# KiCad board vme-wren.kicad_pcb (continued)
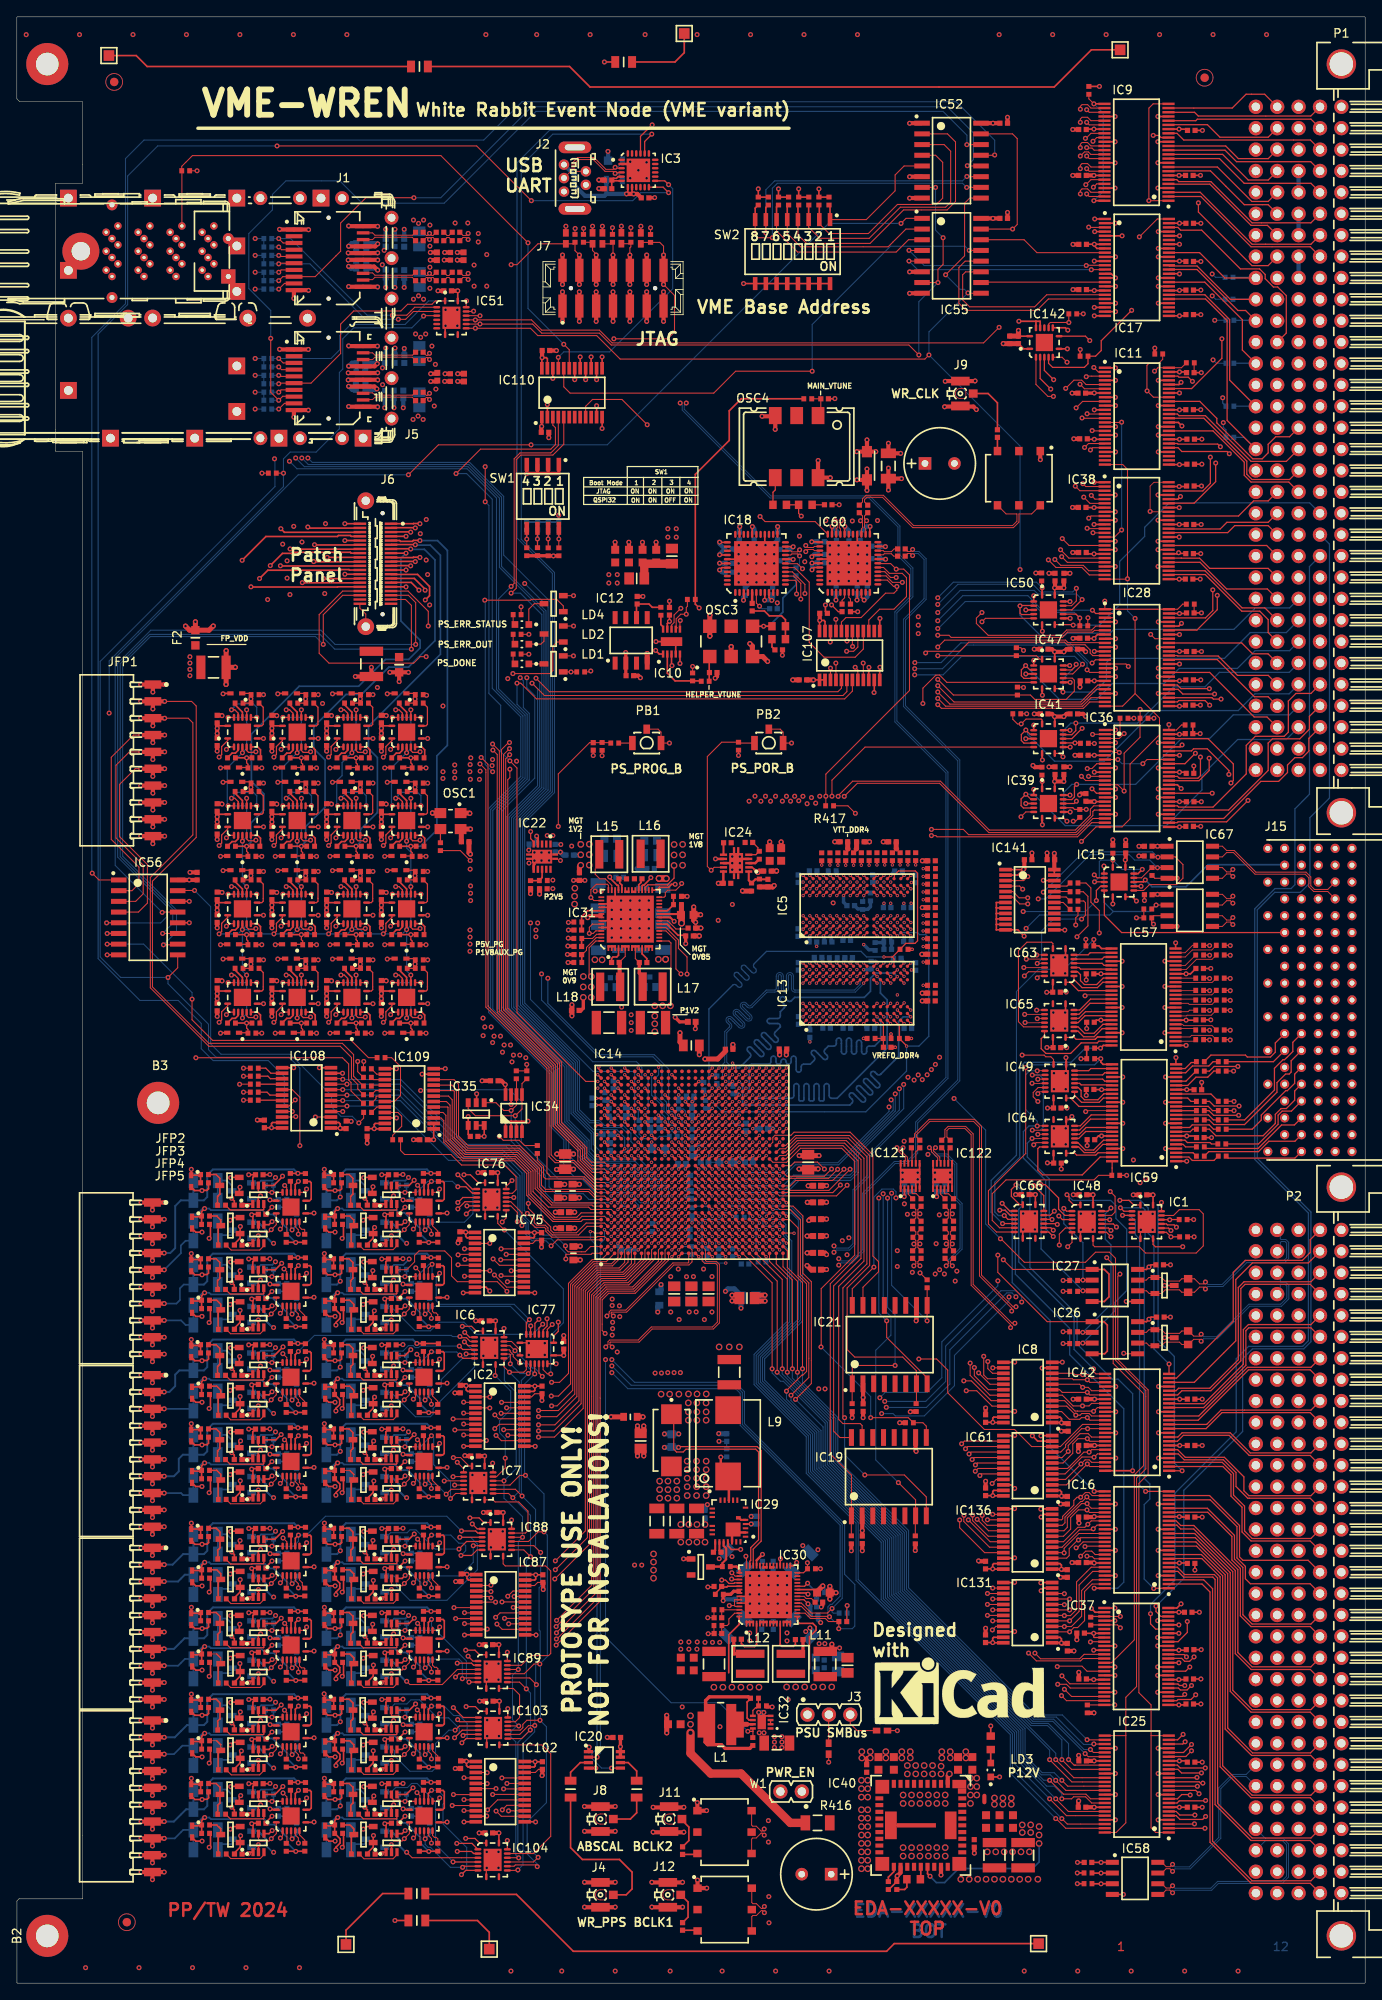
[diagram p0: board, top side]
## Routing (per net, layer and track width the routed paths; a pad name or vN(x,y) marks a point on that pad's centre or on a via; arc(x,y) is an arc through that point) (continued)
/io_drivers_fp/F_IO19: length 80.3
  Top Layer w0.125: IC87.6 54.59,45.24 v2(56.85,45.24) ; IC14.J2 75.38,87.06 75.38,85.97 72.58,83.16 69.71,83.16 68.26,81.71 68.26,47.24 v2(64.1,43.07)
  Top Layer w0.2: IC92.4 46.57,52.71 v2(47.2,53.33)
  L5 w0.125: v2(47.2,53.33) 48.5,54.63 49.39,54.63 51.4,52.62 51.4,50.54 51.9,50.04 54.23,50.04 56.85,47.41 v2(56.85,45.24)
  L8 w0.125: v2(56.85,45.24) 57.65,44.44 58.44,44.44 59.8,43.07 v2(64.1,43.07)
/io_drivers_fp/F_IO20: length 93.1
  Top Layer w0.125: v2(51.91,44.59) 54.54,44.59 IC87.7 ; IC14.J1 75.79,86.02 72.68,82.91 69.81,82.91 68.51,81.61 68.51,46.8 v2(64.05,42.34)
  Top Layer w0.2: v2(30.32,38.42) 29.95,38.05 29.35,38.05
  L5 w0.125: v2(51.91,44.59) 51.61,44.89 41.05,44.89 38.91,42.74 38.91,41.14 38.62,40.85 38.22,40.85 35.78,38.42 v2(30.32,38.42)
  L8 w0.125: v2(64.05,42.34) 62.25,42.34 61.85,42.74 59.75,42.74 58.45,44.04 56.68,44.04 56.13,44.59 v2(51.91,44.59)
/io_drivers_fp/F_IO21: length 92.3
  Top Layer w0.125: v2(53.16,43.99) 53.19,43.96 IC87.8 ; v2(64.08,41.59) 64.08,41.62 68.76,46.3 68.76,81.46 69.97,82.66 73.14,82.66 76.19,85.72 76.19,87.07 IC14.K2
  Top Layer w0.2: IC95.4 30.77,42.71 v2(31.4,43.33)
  L5 w0.125: v2(53.16,43.99) 53.16,44.03 51.9,45.29 43.61,45.29 43.5,45.18 43.1,45.18 42.99,45.29 38.21,45.29 36.61,43.69 34.62,43.69 33.65,42.71 32.59,42.71 31.97,43.33 v2(31.4,43.33)
  L8 w0.125: v2(53.16,43.99) 54.6,43.99 56.44,42.15 61.75,42.15 62.31,41.59 v2(64.08,41.59)
/io_drivers_fp/F_IO22: length 78
  Top Layer w0.125: v2(52.11,43.29) 54.54,43.29 IC87.9 ; v2(64.08,40.86) 64.13,40.86 69.01,45.75 69.01,81.35 70.07,82.41 73.24,82.41 76.59,85.76 IC14.K1
  Top Layer w0.2: v2(46.12,38.42) 45.75,38.05 45.15,38.05
  L5 w0.125: v2(52.11,43.29) 50.02,43.29 46.12,39.38 v2(46.12,38.42)
  L8 w0.125: v2(64.08,40.86) 64.06,40.85 59.85,40.85 59.15,41.55 55.29,41.55 53.56,43.29 v2(52.11,43.29)
/io_drivers_fp/F_IO23: length 77.9
  Top Layer w0.125: IC14.L2 76.98,87.05 76.98,85.8 73.34,82.16 70.19,82.16 69.26,81.24 69.26,45.35 v2(64.05,40.14) ; v2(53.16,42.69) 53.19,42.66 IC87.10
  Top Layer w0.2: IC101.4 46.57,42.71 v2(47.2,43.33)
  L5 w0.125: v2(47.2,43.33) 48.5,44.63 49.39,44.63 49.92,44.1 52.2,44.1 53.16,43.14 v2(53.16,42.69)
  L8 w0.125: v2(53.16,42.69) 55.17,40.68 59.3,40.68 59.84,40.14 v2(64.05,40.14)
/io_drivers_fp/F_IO24: length 104.9
  Top Layer w0.125: v2(53.1,24.39) 53.13,24.36 IC102.4
  Top Layer w0.15: 72.2,87.87 IC14.E3
  Top Layer w0.2: v2(30.32,28.12) 29.95,27.75 29.35,27.75
  L5 w0.125: v2(53.1,24.39) 53.1,25.35 45.7,32.76 40.82,32.76 38.62,30.55 37.41,30.55 34.98,28.12 v2(30.32,28.12)
  L8 w0.125: v1(72.19,87.86) 72.19,86.68 66.05,80.54 66.05,34.41 61.15,29.51 61.15,29.5 57.45,25.79 54.5,25.79 v2(53.1,24.39)
/io_drivers_fp/F_IO25: length 104.4
  Top Layer w0.125: v2(55.85,24.99) 55.83,25.01 IC102.3
  Top Layer w0.15: 73,87.87 IC14.F3
  Top Layer w0.2: v2(31.4,33.03) 30.77,32.41 IC111.4
  L5 w0.125: v2(55.85,24.99) 54.95,25.89 54.95,25.96 53.84,27.08 51.81,27.08 44.68,34.2 37.38,34.2 35.66,32.49 33.72,32.49 33.65,32.41 32.48,32.41 31.86,33.03 v2(31.4,33.03)
  L8 w0.125: v2(55.85,24.99) 57.35,24.99 61.65,29.29 61.65,29.31 66.55,34.21 66.55,80.34 72.9,86.69 72.9,87.78 v1(72.99,87.86)
/io_drivers_fp/F_IO26: length 90.3
  Top Layer w0.125: IC102.5 55.83,23.71 v2(55.85,23.69)
  Top Layer w0.15: 73.8,90.27 IC14.G6
  Top Layer w0.2: 45.15,27.75 45.75,27.75 v2(46.12,28.12)
  L5 w0.125: v2(46.12,28.12) 48.57,28.12 53,23.69 v2(55.85,23.69)
  L8 w0.125: v1(73.79,90.26) 73.38,89.85 73.38,88.5 73.15,88.27 72.86,88.27 72.58,88 72.58,86.72 66.3,80.44 66.3,34.31 61.4,29.41 61.4,29.39 57.55,25.54 55.71,25.54 55.37,25.19 55.37,24.18 v2(55.85,23.69)
/io_drivers_fp/F_IO27: length 97.4
  Top Layer w0.125: IC102.6 54.54,23.1 v2(56.91,23.1)
  Top Layer w0.15: 74.6,90.27 IC14.H6
  Top Layer w0.2: IC120.4 46.61,32.41 v2(47.35,33.15)
  L5 w0.125: v2(56.91,23.1) 56.91,24.74 54.32,27.33 52.02,27.33 50.27,29.07 50.27,31 48.12,33.15 v2(47.35,33.15)
  L8 w0.125: v2(56.91,23.1) 57.43,22.58 58.04,22.58 58.8,23.34 58.8,26.09 61.9,29.19 61.9,29.2 66.8,34.1 66.8,80.23 73.15,86.58 73.15,87.33 73.38,87.55 73.38,88.01 73.64,88.27 74.04,88.27 74.18,88.41 74.18,89.85 v1(74.59,90.26)
/io_drivers_fp/F_IO28: length 109.6
  Top Layer w0.125: v2(51.85,22.39) 54.48,22.39 IC102.7
  Top Layer w0.15: 73.8,87.87 IC14.G3
  Top Layer w0.2: v2(30.32,18.12) 29.95,17.75 29.35,17.75
  L5 w0.125: 51.85,22.45 v2(51.85,22.39) 51.77,22.47 50.01,22.47 49.89,22.35 49.1,22.35 47.12,24.34 39.91,24.34 38.91,23.33 38.91,20.84 38.62,20.55 38.22,20.55 35.78,18.12 v2(30.32,18.12)
  L8 w0.125: v1(73.79,87.86) 73.79,87.61 73.4,87.22 73.4,86.48 67.05,80.13 67.05,34 62.15,29.1 62.15,29.08 59.05,25.98 59.05,23.19 57.77,21.91 56.3,21.91 55.82,22.39 v2(51.85,22.39)
/io_drivers_fp/F_IO29: length 107.5
  Top Layer w0.125: IC102.8 53.13,21.76 v2(53.1,21.79)
  Top Layer w0.15: 74.62,88.67 75.01,89.06
  Top Layer w0.2: IC114.4 30.65,22.41 v2(31.59,23.35)
  L5 w0.125: v2(31.59,23.35) 31.59,23.3 32.49,22.41 33.65,22.41 33.93,22.7 36.27,22.7 38.26,24.69 50.25,24.69 53.1,21.83 v2(53.1,21.79)
  L8 w0.125: v1(74.61,88.66) 74.61,88.49 74.18,88.06 74.18,86.9 67.3,80.03 67.3,33.9 62.38,28.98 62.38,26.17 57.88,21.66 54.2,21.66 54.07,21.79 v2(53.1,21.79)
/io_drivers_fp/F_IO30: length 91.6
  Top Layer w0.125: v2(51.71,21.09) 54.48,21.09 IC102.9
  Top Layer w0.15: 74.6,87.87 IC14.H3
  Top Layer w0.2: 45.15,17.75 45.75,17.75 v2(46.12,18.12)
  L5 w0.125: v2(51.71,21.09) 48.13,21.09 46.12,19.08 v2(46.12,18.12)
  L8 w0.125: v1(74.59,87.86) 74.59,86.96 67.55,79.92 67.55,33.79 62.63,28.87 62.63,26.06 57.66,21.09 v2(51.71,21.09)
/io_drivers_fp/F_IO31: length 96.7
  Top Layer w0.125: IC102.10 53.13,20.46 v2(53.1,20.49)
  Top Layer w0.15: 74.6,91.07 IC14.H7
  Top Layer w0.2: IC117.4 46.26,22.41 v2(47.06,23.2)
  L5 w0.125: v2(47.06,23.2) 47,23.15 47,22.31 47.87,21.44 50.36,21.44 50.49,21.58 52.02,21.58 v2(53.1,20.49) 53.1,20.5
  L8 w0.125: v2(53.1,20.49) 54.24,19.35 58.52,19.35 62.88,23.72 62.88,28.77 67.8,33.69 67.8,79.82 75,87.01 75,90.66 v1(74.59,91.06)
/io_drivers_fp/I_IOEXP_D_IN: length 19.2
  Top Layer w0.125: R449.2 45.57,98.87 46.05,98.39 51.55,98.39 52.8,97.14 57.87,97.14 57.89,97.16 59.29,95.76 59.29,94.21 58.86,93.79 IC76.14
/io_drivers_fp/I_IOEXP_RCLK: length 156.4
  Top Layer w0.125: v2(59.7,73.64) 58.96,74.39 58.96,74.61 58.58,74.98 58.58,75.12 58.51,75.19 IC6.12 ; v2(62.13,31.21) 60.58,31.21 60.09,30.73 60.09,30.34 59.79,30.04 IC103.12 ; IC77.12 v2(61.5,72.34) ; v2(26.91,107.69) R450.2 ; v2(60.41,60.29) 59.72,60.29 58.57,59.14 IC7.12 ; v2(59.98,89.95) 59.98,91.46 58.66,92.79 IC76.12 ; IC88.12 60.77,52.44 61.92,53.59 v2(62.61,53.59) ; IC89.12 60.27,36.74 61.42,37.89 v2(62.11,37.89) ; IC104.12 61.35,14.39 v2(61.9,14.94)
  L3 w0.125: v2(59.98,89.95) 59.98,89.47 60.36,89.09 60.36,82.69 58.67,81 58.67,74.67 v2(59.7,73.64)
  L5 w0.125: v2(59.98,89.95) 59.98,91.41 58.06,93.34 58.06,96.58 55.66,98.99 35.61,98.99 34.41,100.18 33.22,100.18 29.46,103.94 29.46,106.89 28.66,107.69 v2(26.91,107.69)
  Bottom Layer w0.125: v2(59.7,73.64) 60.2,73.64 v2(61.5,72.34) 60.3,71.14 60.3,60.18 v2(60.41,60.29) 62.61,58.09 v2(62.61,53.59) 63,53.2 63,38.78 v2(62.11,37.89) 62.19,37.8 62.19,31.28 v2(62.13,31.21) 62.89,30.45 62.89,21.43 60.6,19.14 60.6,16.24 v2(61.9,14.94)
/io_drivers_fp/I_IOEXP_SCLK: length 153.9
  Top Layer w0.125: IC104.11 59.05,13.89 59.2,14.04 61.6,14.04 v2(61.8,13.84) ; IC88.11 61.4,51.94 v2(62.2,51.14) ; IC6.11 58.52,74.69 58.6,74.61 v2(58.6,73.54) ; v2(60,57.84) 59.2,58.64 IC7.11 ; v2(60.74,72.39) 61,72.65 IC77.11 ; IC76.11 58.66,92.29 59.44,91.51 v2(59.44,90.42) ; IC103.11 59.73,29.54 60.77,30.58 61.19,30.58 61.24,30.52 61.44,30.52 v2(61.51,30.59) ; IC89.11 60.9,36.24 v2(61.7,35.44) ; v2(26.91,108.64) R452.2
  L3 w0.125: v2(58.6,73.54) 58.34,73.8 58.34,81.02 59.96,82.64 59.96,88.95 59.44,89.47 v2(59.44,90.42)
  L5 w0.125: v2(59.44,90.42) 57.69,92.17 57.69,96.6 55.56,98.74 35.51,98.74 34.31,99.93 31.12,99.93 29.2,101.85 29.2,102.78 28.61,103.37 28.61,106.54 27.96,107.19 26.67,107.19 26.43,107.43 26.43,108.15 v2(26.91,108.64)
  Bottom Layer w0.125: v2(61.8,13.84) 61.8,14.14 60.12,15.83 60.12,28.46 61.49,29.84 61.49,30.58 v2(61.51,30.59) 61.52,30.6 61.52,35.25 v2(61.7,35.44) 61.62,35.52 61.62,38.09 62.15,38.62 62.15,41.79 62.03,41.92 62.03,46.94 62.2,47.12 v2(62.2,51.14) 61.6,51.74 61.6,56.24 v2(60,57.84) 59.92,57.92 59.92,71.56 v2(60.74,72.39) 59.76,72.39 v2(58.6,73.54)
/io_drivers_pp/bank0/OUT0: length 178.1
  Top Layer w0.125: v2(115.83,59.33) 116.32,59.81 IC61.21
  Top Layer w0.15: v2(47.88,114.72) 47.81,114.64 47.02,114.64 46.79,114.87 IC62.5 ; IC62.2 44.69,115.29 v2(44.39,114.99)
  L8 w0.125: v2(44.39,114.99) 44.48,115.08 47.52,115.08 v2(47.88,114.72) 47.56,115.04 47.56,116.84 52.91,122.19 52.91,134.81 56.75,138.65 62.67,138.65 65.43,141.41 108.03,141.41 113.51,135.93 113.51,108.09 112.15,106.73 112.15,77.09 109.71,74.65 109.71,63.31 113.91,59.11 115.61,59.11 v2(115.83,59.33)
/io_drivers_pp/bank0/OUT1: length 173.3
  Top Layer w0.125: v2(114.37,60.27) 114.56,60.46 IC61.20
  Top Layer w0.15: IC62.12 45.79,119.29 45.39,119.69 v2(44.99,119.69) ; IC62.9 v2(47.99,118.79)
  L8 w0.125: 45.73,120.43 45.73,128.18 56.45,138.9 60.51,138.9 62.57,138.9 62.7,139.04 63.73,140.06 65.33,141.66 108.15,141.66 113.76,136.06 113.76,107.99 112.4,106.63 112.4,76.59 109.96,74.15 109.96,63.41 113.1,60.27 v2(114.37,60.27) ; 45.73,120.43 v2(44.99,119.69) ; 45.73,120.43 47.41,120.43 47.99,119.85 v2(47.99,118.79)
/io_drivers_pp/bank0/OUT2: length 181.8
  Top Layer w0.125: IC61.19 114.15,61.11 v2(113.83,60.78)
  Top Layer w0.15: IC124.2 38.19,115.29 v2(37.89,114.99) ; IC124.5 40.29,114.87 40.52,114.64 41.31,114.64 v2(41.38,114.72)
  L8 w0.125: v2(37.89,114.99) 37.98,115.08 41.02,115.08 v2(41.38,114.72) 41.38,117.71 45.48,121.81 45.48,130.4 48.38,133.3 49.09,133.3 54.95,139.15 62.46,139.15 65.23,141.91 108.26,141.91 114.01,136.16 114.01,107.88 112.65,106.52 112.65,76.48 110.21,74.04 110.21,63.52 112.95,60.78 v2(113.83,60.78)
/io_drivers_pp/bank0/OUT3: length 179.5
  Top Layer w0.125: IC61.18 114.07,61.76 v2(113.84,61.53)
  Top Layer w0.15: IC124.12 39.29,119.29 38.89,119.69 v2(38.49,119.69) ; IC124.9 v2(41.49,118.79)
  L8 w0.125: v2(38.49,119.69) 39.39,118.79 v2(41.49,118.79) 41.49,120.98 40.86,121.61 40.86,129.5 41.55,130.19 44.22,130.19 53.44,139.4 62.36,139.4 65.15,142.19 108.38,142.19 114.26,136.31 114.26,107.78 112.9,106.42 112.9,76.38 110.49,73.97 110.49,63.59 112.55,61.53 v2(113.84,61.53)
/io_drivers_pp/bank0/OUT4: length 186.9
  Top Layer w0.125: 117.16,62.41 113.69,62.41 v2(113.46,62.17)
  Top Layer w0.15: v2(34.88,114.72) 34.81,114.64 34.02,114.64 33.79,114.87 IC125.5 ; IC125.2 31.69,115.29 v2(31.39,114.99)
  L8 w0.125: v2(34.88,114.72) 34.88,117.62 36.28,119.01 36.28,125.49 41.22,130.44 44.12,130.44 53.34,139.65 56.22,139.65 62.26,139.65 65.04,142.44 108.48,142.44 114.51,136.41 114.51,107.67 113.15,106.32 113.15,76.27 110.74,73.86 110.74,63.69 112.26,62.17 v2(113.46,62.17)
  L8 w0.15: v2(34.88,114.72) 34.51,115.09 31.49,115.09 v2(31.39,114.99)
/io_drivers_pp/bank0/OUT5: length 184.5
  Top Layer w0.125: v2(113.09,62.83) 113.32,63.06 IC61.16
  Top Layer w0.15: IC125.12 32.79,119.29 32.39,119.69 v2(31.99,119.69) ; IC125.9 v2(34.99,118.79)
  L8 w0.125: v2(113.09,62.83) 111.96,62.83 110.99,63.8 110.99,73.76 113.4,76.17 113.4,106.21 114.76,107.57 114.76,136.51 108.59,142.69 64.94,142.69 62.15,139.9 53.23,139.9 44.34,131.01 38.07,131.01 34.4,127.33 34.4,124.85 34.99,124.25 v2(34.99,118.79) 32.89,118.79 v2(31.99,119.69)
/io_drivers_pp/bank0/OUT6: length 195.8
  Top Layer w0.125: v2(112.67,63.45) 112.93,63.71 IC61.15
  Top Layer w0.15: IC126.2 25.19,115.29 v2(24.89,114.99) ; v2(28.38,114.72) 28.31,114.64 27.52,114.64 27.29,114.87 IC126.5
  L8 w0.125: v2(24.89,114.99) 24.98,115.08 28.02,115.08 v2(28.38,114.72) 28.38,116.89 29.78,118.28 29.78,129.71 32.65,132.59 45.57,132.59 45.57,132.61 53.1,140.15 62.05,140.15 64.86,142.96 108.66,142.96 115.01,136.62 115.01,107.47 113.65,106.11 113.65,76.06 111.24,73.65 111.24,63.9 111.69,63.45 v2(112.67,63.45)
/io_drivers_pp/bank0/OUT7: length 196.9
  Top Layer w0.125: IC61.14 112.53,64.36 v2(112.2,64.04)
  Top Layer w0.15: IC126.9 v2(28.49,118.79) ; IC126.12 26.29,119.29 25.89,119.69 v2(25.49,119.69)
  L8 w0.125: v2(25.49,119.69) 26.39,118.79 v2(28.49,118.79) 28.49,121.15 26.16,123.48 26.16,130.56 28.14,132.54 30.13,132.54 31.87,134.27 46.87,134.27 47.4,134.8 47.4,138.08 49.72,140.4 55.91,140.4 61.94,140.4 62.08,140.54 63.11,141.56 64.78,143.24 108.74,143.24 115.26,136.72 115.26,107.36 113.9,106.01 113.9,75.96 111.49,73.55 111.49,64.75 v2(112.2,64.04)
/io_drivers_pp/bank1/OUT0: length 157
  Top Layer w0.125: v2(112.75,70.34) 113.99,70.34 115.82,68.51 IC8.21
  Top Layer w0.15: v2(44.39,135.99) 44.69,136.29 IC130.2 ; IC130.5 46.79,135.86 47.02,135.64 47.81,135.64 v2(47.88,135.71)
  L8 w0.125: v2(44.39,135.99) 44.95,135.99 49.62,140.65 60.6,140.65 61.84,140.65 61.98,140.79 62.86,141.67 64.68,143.49 108.85,143.49 115.51,136.82 115.51,107.26 114.15,105.9 114.15,75.86 111.97,73.68 111.97,71.12 v2(112.75,70.34)
  L10 w0.15: v2(44.39,135.99) 44.69,136.29 47.31,136.29 v2(47.88,135.71)
/io_drivers_pp/bank1/OUT1: length 151.6
  Top Layer w0.125: IC8.20 115.71,69.16 113.36,71.51 v2(112.46,71.51)
  Top Layer w0.15: v2(44.99,140.69) 45.39,140.69 45.79,140.29 IC130.12 ; IC130.9 v2(47.99,139.79)
  L8 w0.125: v2(47.99,139.79) 49.11,140.9 60.7,140.9 61.74,140.9 62.61,141.77 64.58,143.74 108.95,143.74 115.76,136.93 115.76,107.16 114.4,105.8 114.4,75.75 112.46,73.81 v2(112.46,71.51)
  Bottom Layer w0.15: v2(44.99,140.69) 45.29,140.99 45.29,141.19 45.49,141.39 47.59,141.39 47.99,140.99 v2(47.99,139.79)
/io_drivers_pp/bank1/OUT2: length 158.2
  Top Layer w0.125: v2(113.22,73.62) 113.22,72.16 115.56,69.81 IC8.19
  Top Layer w0.15: IC127.2 38.19,136.29 v2(37.89,135.99) ; IC127.5 40.29,135.86 40.52,135.64 41.31,135.64 v2(41.38,135.71)
  L8 w0.125: v2(113.22,73.62) 113.22,74.21 114.65,75.65 114.65,105.7 116.01,107.05 116.01,137.03 109.05,143.99 64.47,143.99 62.36,141.87 61.63,141.15 60.81,141.15 48.57,141.15 44.29,136.87 43.67,136.87 42.51,135.71 v2(41.38,135.71) 41.02,136.07 37.98,136.07 v2(37.89,135.99)
/io_drivers_pp/bank1/OUT3: length 157
  Top Layer w0.125: v2(113.71,73.09) 113.71,72.12 115.37,70.46 IC8.18
  Top Layer w0.15: v2(38.49,140.69) 38.89,140.69 39.29,140.29 IC127.12 ; IC127.9 v2(41.49,139.79)
  L8 w0.125: v2(113.71,73.09) 113.71,74.36 114.9,75.55 114.9,105.59 116.26,106.95 116.26,137.14 109.16,144.24 64.37,144.24 61.67,141.54 61.53,141.4 60.91,141.4 48.46,141.4 46.36,139.3 41.98,139.3 v2(41.49,139.79)
  Bottom Layer w0.15: v2(38.49,140.69) 39.19,141.39 41.09,141.39 41.49,140.99 v2(41.49,139.79)
/io_drivers_pp/bank1/OUT4: length 165.4
  Top Layer w0.125: v2(114.23,72.46) 115.58,71.11 IC8.17
  Top Layer w0.15: v2(34.88,135.71) 34.81,135.64 34.02,135.64 33.79,135.86 IC128.5 ; IC128.2 31.69,136.29 v2(31.39,135.99)
  L8 w0.125: v2(31.39,135.99) 31.48,136.07 34.52,136.07 v2(34.88,135.71) 34.88,138.42 37.64,141.17 47.88,141.17 48.36,141.65 61.01,141.65 61.43,141.65 61.86,142.08 64.26,144.49 109.26,144.49 116.51,137.24 116.51,106.85 115.15,105.49 115.15,75.44 114.23,74.51 v2(114.23,72.46)
/io_drivers_pp/bank1/OUT5: length 163
  Top Layer w0.125: IC8.16 115.28,71.76 114.83,72.21 v2(114.83,74.43)
  Top Layer w0.15: IC128.12 32.79,140.29 32.39,140.69 v2(31.99,140.69) ; IC128.9 v2(34.99,139.79)
  L8 w0.125: v2(114.83,74.43) 114.83,74.76 115.4,75.34 115.4,105.39 116.76,106.74 116.76,137.34 109.36,144.74 64.16,144.74 61.61,142.19 61.32,141.9 61.12,141.9 50.06,141.9 48.99,142.97 45.67,142.97 44.2,141.5 37.45,141.5 35.73,139.79 v2(34.99,139.79)
  Bottom Layer w0.15: v2(31.99,140.69) 32.69,141.39 34.59,141.39 34.99,140.99 v2(34.99,139.79)
/io_drivers_pp/bank1/OUT6: length 170.1
  Top Layer w0.125: IC8.15 115.87,72.41 115.32,72.96 v2(115.32,73.81)
  Top Layer w0.15: v2(28.38,135.71) 28.31,135.64 27.52,135.64 27.29,135.86 IC129.5 ; IC129.2 25.19,136.29 v2(24.89,135.99)
  L8 w0.125: v2(24.89,135.99) 24.98,136.07 28.02,136.07 v2(28.38,135.71) 29.21,136.54 30.37,136.54 34.78,140.96 36.55,140.96 38.82,143.22 49.1,143.22 50.17,142.15 61.22,142.15 64.06,144.99 109.47,144.99 117.01,137.45 117.01,106.64 115.65,105.28 115.65,75.24 115.32,74.9 v2(115.32,73.81)
/io_drivers_pp/bank1/OUT7: length 169.2
  Top Layer w0.125: 115.9,73.06 v2(115.91,73.06) 117.16,73.06
  Top Layer w0.15: IC129.9 v2(28.49,139.79) ; v2(25.49,140.69) 25.89,140.69 26.29,140.29 IC129.12
  L8 w0.125: 115.9,73.06 115.9,105.18 117.26,106.54 117.26,137.55 109.57,145.24 63.95,145.24 61.12,142.4 50.27,142.4 49.2,143.47 30.74,143.47 30.1,142.84 30.1,141.4 v2(28.49,139.79)
  Bottom Layer w0.15: v2(28.49,139.79) 28.49,140.99 28.09,141.39 25.99,141.39 25.79,141.19 25.79,140.99 v2(25.49,140.69)
/io_drivers_pp/bank2/OUT0: length 205.5
  Top Layer w0.125: v2(115.85,41.94) 116.28,42.36 IC131.21
  Top Layer w0.15: IC133.2 44.69,125.79 v2(44.39,125.49) ; v2(47.88,125.22) 47.81,125.14 47.02,125.14 46.79,125.37 IC133.5
  L3 w0.125: v2(44.39,125.49) 44.48,125.58 47.52,125.58 v2(47.88,125.22) 48.18,125.22 49.3,126.34 49.3,130.64 47.3,132.64 47.3,140.51 47.78,140.98 47.78,142.43 51.64,146.29 54.22,146.29 55.72,147.79 60.09,147.79 68.8,139.09 70.39,139.09 71.89,137.59 93.17,137.59 95.35,139.78 v2(95.35,140.93)
  L10 w0.125: v2(115.85,41.94) 115.85,42.03 115.15,42.74 114.24,42.74 107.91,49.06 107.91,75.63 112.15,79.87 112.15,97.49 115.15,100.49 115.15,134.99 108.65,141.49 95.92,141.49 v2(95.35,140.93)
/io_drivers_pp/bank2/OUT1: length 199.7
  Top Layer w0.125: IC131.20 115.9,43.01 v2(115.9,43.02)
  Top Layer w0.15: IC133.12 45.79,129.79 45.39,130.19 v2(44.99,130.19) ; IC133.9 v2(47.99,129.29)
  L3 w0.125: v2(47.99,129.29) 45.89,129.29 v2(44.99,130.19) 45.73,130.93 45.73,141.66 47.86,143.8 48.79,143.8 51.53,146.54 54.11,146.54 55.61,148.04 60.2,148.04 68.9,139.34 70.5,139.34 71.99,137.84 93.06,137.84 94.87,139.64 v2(94.87,140.11)
  L10 w0.125: v2(94.87,140.11) 94.86,140.12 94.86,141.38 95.21,141.74 108.75,141.74 115.4,135.09 115.4,100.38 112.4,97.38 112.4,79.77 108.16,75.53 108.16,49.16 114.31,43.02 v2(115.9,43.02)
/io_drivers_pp/bank2/OUT2: length 208.9
  Top Layer w0.125: IC131.19 115.27,43.66 v2(115.27,43.67)
  Top Layer w0.15: IC132.5 40.29,125.37 40.52,125.14 41.31,125.14 v2(41.38,125.22) ; IC132.2 38.19,125.79 v2(37.89,125.49)
  L3 w0.125: v2(37.89,125.49) 37.98,125.58 41.02,125.58 v2(41.38,125.22) 41.38,126.62 41.98,127.21 41.98,130.31 42.9,131.24 42.9,135.44 41.8,136.54 41.8,139.04 43.51,140.75 44.21,140.75 50.25,146.79 54.01,146.79 55.51,148.29 60.3,148.29 66.15,142.44 69,139.59 70.6,139.59 72.1,138.09 92.96,138.09 94.34,139.47 94.34,140.74 v2(94.37,140.77)
  L10 w0.125: v2(94.37,140.77) 94.37,141.69 94.67,141.99 108.86,141.99 115.65,135.19 115.65,100.28 112.65,97.28 112.65,79.66 108.41,75.42 108.41,49.27 114.01,43.67 v2(115.27,43.67)
/io_drivers_pp/bank2/OUT3: length 204.6
  Top Layer w0.125: v2(115.9,44.32) 115.9,44.31 IC131.18
  Top Layer w0.15: IC132.12 39.29,129.79 38.89,130.19 v2(38.49,130.19) ; IC132.9 v2(41.49,129.29)
  L3 w0.125: v2(41.49,129.29) 39.39,129.29 v2(38.49,130.19) 38.49,138.03 41.46,141 44.11,141 50.15,147.04 53.91,147.04 55.41,148.54 60.4,148.54 69.11,139.84 70.7,139.84 72.2,138.34 92.85,138.34 93.85,139.34 v2(93.85,140.04)
  L10 w0.125: v2(115.9,44.32) 113.72,44.32 108.66,49.37 108.66,75.32 112.9,79.56 112.9,97.17 115.9,100.17 115.9,135.3 108.96,142.24 94.57,142.24 93.88,141.56 93.88,140.07 v2(93.85,140.04)
/io_drivers_pp/bank2/OUT4: length 215.4
  Top Layer w0.125: v2(115.27,44.97) 115.27,44.96 IC131.17
  Top Layer w0.15: v2(34.88,125.22) 34.81,125.14 34.02,125.14 33.79,125.37 IC135.5 ; v2(31.39,125.49) 31.69,125.79 IC135.2
  L3 w0.125: v2(31.39,125.49) 31.48,125.58 34.52,125.58 v2(34.88,125.22) 34.88,127.34 35.48,127.93 35.48,129.5 34.8,130.17 34.8,135.1 34.4,135.51 34.4,137.78 37.87,141.25 44,141.25 49.3,146.55 50.04,147.29 53.8,147.29 55.3,148.79 60.51,148.79 69.21,140.09 70.81,140.09 72.3,138.59 92.75,138.59 93.36,139.2 93.36,140.91 v2(93.36,140.92)
  L10 w0.125: v2(93.36,140.92) 93.36,141.97 93.88,142.49 109.06,142.49 116.15,135.4 116.15,100.07 113.15,97.07 113.15,79.46 108.91,75.22 108.91,49.48 113.42,44.97 v2(115.27,44.97)
/io_drivers_pp/bank2/OUT5: length 212
  Top Layer w0.125: v2(115.9,45.62) 115.9,45.61 IC131.16
  Top Layer w0.15: v2(31.99,130.19) 32.39,130.19 32.79,129.79 IC135.12 ; IC135.9 v2(34.99,129.29)
  L3 w0.125: v2(92.86,140.39) 92.86,139.39 92.32,138.84 72.41,138.84 70.91,140.34 69.31,140.34 60.61,149.04 55.2,149.04 53.7,147.54 49.94,147.54 49.2,146.8 47.55,146.8 47.28,146.52 47.28,144.88 43.9,141.5 35.76,141.5 31.99,137.73 v2(31.99,130.19) 32.89,129.29 v2(34.99,129.29)
  L10 w0.125: v2(115.9,45.62) 113.13,45.62 109.16,49.58 109.16,75.11 113.4,79.35 113.4,96.97 116.4,99.97 116.4,135.5 109.17,142.74 93.77,142.74 92.86,141.83 v2(92.86,140.39)
/io_drivers_pp/bank2/OUT6: length 221.4
  Top Layer w0.125: v2(115.27,46.27) 115.27,46.26 IC131.15
  Top Layer w0.15: v2(24.89,125.49) 25.19,125.79 IC134.2 ; IC134.5 27.29,125.37 27.52,125.14 28.31,125.14 v2(28.38,125.22)
  L3 w0.125: v2(92.38,140.93) 92.38,139.8 91.67,139.09 72.51,139.09 71.01,140.59 69.42,140.59 60.71,149.29 55.1,149.29 53.6,147.79 49.84,147.79 49.1,147.05 46.21,147.05 45.7,146.54 45.7,145.21 43.72,143.22 32.89,143.22 29.78,140.11 29.78,127.97 28.38,126.58 v2(28.38,125.22) 28.02,125.58 24.98,125.58 v2(24.89,125.49)
  L10 w0.125: v2(92.38,140.93) 92.38,141.7 93.67,142.99 109.27,142.99 116.65,135.61 116.65,99.86 113.65,96.86 113.65,79.25 109.41,75.01 109.41,49.68 112.83,46.27 v2(115.27,46.27)
/io_drivers_pp/bank2/OUT7: length 219.2
  Top Layer w0.125: v2(115.9,46.92) 115.9,46.91 IC131.14
  Top Layer w0.15: IC134.9 v2(28.49,129.29) ; IC134.12 26.29,129.79 25.89,130.19 v2(25.49,130.19)
  L3 w0.125: v2(91.89,140.34) 91.89,140.31 90.92,139.34 72.66,139.34 71.16,140.84 69.52,140.84 60.82,149.54 54.99,149.54 53.49,148.04 49.73,148.04 48.99,147.3 46.11,147.3 45.45,146.65 45.45,145.36 43.77,143.67 28.44,143.67 25.98,141.21 25.98,130.68 v2(25.49,130.19)
  L3 w0.15: v2(28.49,129.29) 26.39,129.29 v2(25.49,130.19)
  L10 w0.125: v2(115.9,46.92) 112.53,46.92 109.66,49.79 109.66,74.9 113.9,79.15 113.9,96.76 116.9,99.76 116.9,135.71 109.38,143.24 93.57,143.24 91.89,141.56 v2(91.89,140.34)
/io_drivers_pp/bank3/OUT0: length 180.4
  Top Layer w0.125: IC136.21 114.94,51.11 111.97,54.08 v2(111.97,55)
  Top Layer w0.15: v2(44.39,146.49) 44.69,146.79 IC139.2 ; IC139.5 46.79,146.36 47.02,146.14 47.81,146.14 v2(47.88,146.21)
  L3 w0.125: v2(50.6,151.64) 61.58,151.64 70.38,142.84 89.49,142.84 v2(91.4,140.93)
  L8 w0.15: v2(44.39,146.49) 44.49,146.59 46.76,146.59 47.13,146.21 v2(47.88,146.21) 47.88,148.92 v2(50.6,151.64)
  L10 w0.125: v2(91.4,140.93) 91.41,140.94 91.41,141.44 93.46,143.49 109.48,143.49 117.15,135.81 117.15,99.66 114.15,96.66 114.15,79.04 109.91,74.8 109.91,59.99 111.97,57.93 v2(111.97,55)
/io_drivers_pp/bank3/OUT1: length 176.6
  Top Layer w0.125: v2(112.49,55.55) 112.46,55.52 112.46,54.82 115.51,51.76 IC136.20
  Top Layer w0.15: IC139.12 45.79,150.79 45.39,151.19 v2(44.99,151.19) ; IC139.9 v2(47.99,150.29)
  L3 w0.125: v2(90.91,140.34) 90.91,141.06 89.39,142.59 70.28,142.59 61.58,151.29 54.25,151.29 53.25,150.29 v2(47.99,150.29)
  L3 w0.15: v2(44.99,151.19) 45.89,150.29 v2(47.99,150.29)
  L10 w0.125: v2(112.49,55.55) 112.45,55.55 112.45,57.8 110.16,60.09 110.16,74.7 114.4,78.94 114.4,96.55 117.4,99.55 117.4,135.92 109.58,143.74 93.36,143.74 90.91,141.29 v2(90.91,140.34)
/io_drivers_pp/bank3/OUT2: length 193
  Top Layer w0.125: IC136.19 115.59,52.41 v2(113,55)
  Top Layer w0.15: v2(41.38,146.21) 41.31,146.14 40.52,146.14 40.29,146.36 IC140.5 ; IC140.2 38.19,146.79 v2(37.89,146.49)
  L3 w0.125: v2(90.11,140.93) 90.11,141.51 89.28,142.34 70.17,142.34 61.47,151.04 54.36,151.04 53.04,149.72 43.72,149.72 42.82,150.62 v2(42.82,153.84)
  L8 w0.15: v2(42.82,153.84) 42.44,153.84 41.79,153.19 41.79,152.78 40.99,151.98 40.99,146.61 ; 40.99,146.61 38.01,146.61 v2(37.89,146.49) ; 40.99,146.61 v2(41.38,146.21)
  L10 w0.125: v2(113,55) 113,57.65 110.41,60.24 110.41,74.59 114.65,78.84 114.65,96.45 117.65,99.45 117.65,136.02 109.69,143.99 93.17,143.99 v2(90.11,140.93)
/io_drivers_pp/bank3/OUT3: length 182.8
  Top Layer w0.125: v2(113.51,55.58) 113.51,54.92 115.36,53.06 IC136.18
  Top Layer w0.15: IC140.12 39.29,150.79 38.89,151.19 v2(38.49,151.19) ; IC140.9 v2(41.49,150.29)
  L3 w0.125: v2(89.51,140.34) 89.51,141.17 88.59,142.09 70.07,142.09 61.37,150.79 54.47,150.79 53.16,149.47 42.3,149.47 v2(41.49,150.29)
  L3 w0.15: v2(38.49,151.19) 39.39,150.29 v2(41.49,150.29)
  L10 w0.125: v2(113.51,55.58) 113.51,57.49 110.66,60.34 110.66,74.49 114.9,78.73 114.9,96.35 117.9,99.35 117.9,136.12 109.79,144.24 92.73,144.24 89.51,141.02 v2(89.51,140.34)
/io_drivers_pp/bank3/OUT4: length 196.3
  Top Layer w0.125: IC136.17 115.4,53.71 v2(114.05,55.07)